# Altium PCB RFFE-Ver1A.PcbDoc (part 7 of 7)
Units mm, origin at the board's own origin, x right, y up, seen from the top; angles counter-clockwise.
Board outline 301.4 x 196.6 mm, 10 copper layers (RFsignal Top, Ground RF signal, Supply, SupplyGND, Digital signal, DigitalGND, CallTone RF, Ground Calltone, Ground RF signal (Plane6), RFsignal Bottom), stack 1.907 mm thick; 558 components, 369 nets, 2153 pads, 4580 vias.
Unrouted connection lines stored in the file: 1.
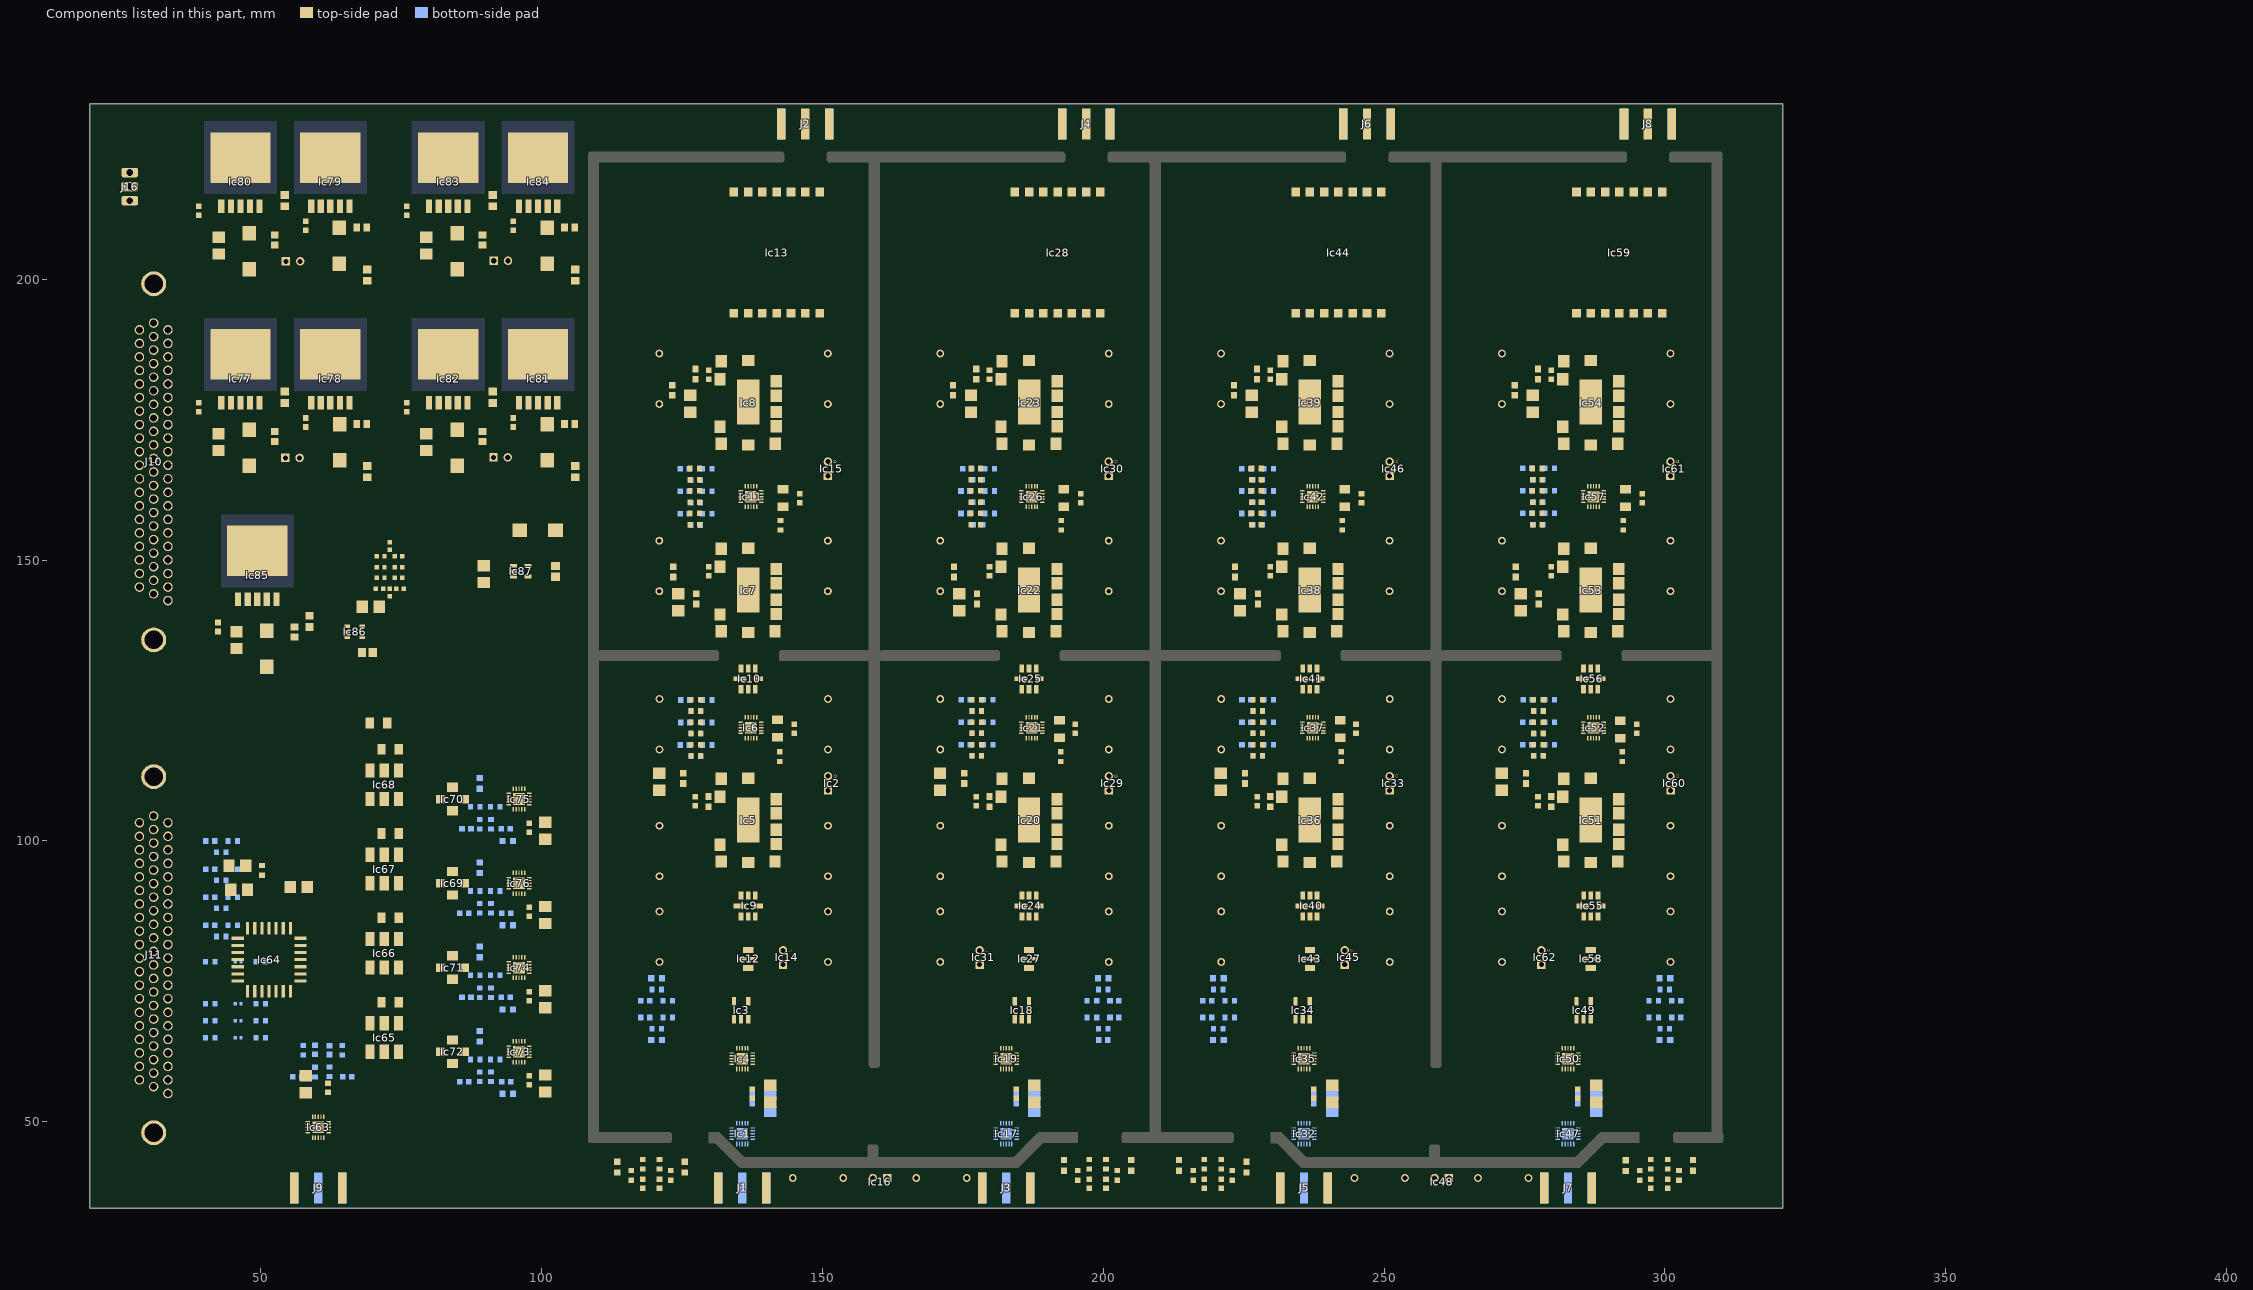
[diagram p15: the components of this part, seen from the top]

## Polygon pours and split planes (outlines as drawn) (continued)
RFGND on RFsignal Top "Top Layer-No Net" (solid, remove dead copper, pour order 106): 176.75,113.75 176.75,93.75 195,93.75 195,113.75 176.75,113.75
RFGND on RFsignal Top "Top Layer-No Net" (solid, remove dead copper, pour order 104): 126.75,113.75 145,113.75 145,93.38 126.75,93.38 126.75,113.75
RFGND on RFsignal Top "Top Layer-No Net" (solid, pour order 100): 283.75,82.5 290,82.5 290,75 283.75,75 283.75,82.5
RFGND on RFsignal Top "Top Layer-No Net" (solid, pour order 97): 233.75,82.5 233.75,75 240,75 240,82.5 233.75,82.5
RFGND on RFsignal Top "Top Layer-No Net" (solid, remove dead copper, pour order 102): 133.75,82.5 140,82.5 140,75 133.75,75 133.75,82.5
RFGND on RFsignal Top "Top Layer-No Net" (solid, pour order 108): 183.75,82.5 183.75,75 190,75 190,82.5 183.75,82.5
RFGND on RFsignal Top "Top Layer-No Net" (solid, remove dead copper, pour order 148): 126.75,133.75 126.75,126.5 146.25,126.5 146.25,133.75 126.75,133.75
RFGND on RFsignal Top "Top Layer-No Net" (solid, remove dead copper, pour order 149): 176.75,133.75 176.75,126.5 196.25,126.5 196.25,133.75 176.75,133.75
RFGND on RFsignal Top "Top Layer-No Net" (solid, remove dead copper, pour order 150): 226.75,133.75 226.75,126.5 246.25,126.5 246.25,133.75 226.75,133.75
RFGND on RFsignal Top "Top Layer-No Net" (solid, remove dead copper, pour order 151): 276.75,133.75 276.75,126.5 296.25,126.5 296.25,133.75 276.75,133.75
RFGND on RFsignal Top "Top Layer-No Net" (solid, remove dead copper, pour order 152): 126.8,93.75 126.8,82.5 145,82.5 145,93.7 126.75,93.7
RFGND on RFsignal Top "Top Layer-No Net" (solid, remove dead copper, pour order 153): 176.75,93.75 176.75,82.5 195,82.5 195,93.75 176.75,93.75
RFGND on RFsignal Top "Top Layer-No Net" (solid, remove dead copper, pour order 154): 226.75,93.75 226.75,82.5 245,82.5 245,93.75 226.75,93.75
RFGND on RFsignal Top "Top Layer-No Net" (solid, remove dead copper, pour order 155): 276.75,93.75 276.75,82.5 295,82.5 295,93.75 276.75,93.75
RFGND on RFsignal Top "Top Layer-No Net" (solid, remove dead copper, pour order 159): 126.75,188.75 155,188.75 155,230.5 126.75,230.5 126.75,188.75
RFGND on RFsignal Top "Top Layer-No Net" (solid, remove dead copper, pour order 158): 176.75,188.75 205,188.75 205,230.5 176.75,230.5 176.75,188.75
RFGND on RFsignal Top "Top Layer-No Net" (solid, remove dead copper, pour order 157): 226.75,188.75 255,188.75 255,230.5 226.75,230.5 226.75,188.75
RFGND on RFsignal Top "Top Layer-No Net" (solid, remove dead copper, pour order 156): 276.75,188.75 305,188.75 305,230.5 276.75,230.5 276.75,188.75
RFGND on RFsignal Top "Top Layer-No Net" (solid, pour order 160): 110.016,35.503 110.016,66.753 207.979,66.753 207.979,35.503 110.016,35.503
RFGND on RFsignal Top "Top Layer-No Net" (solid, pour order 161): 210.88,35.501 210.88,66.751 307.38,66.751 307.38,35.501 210.88,35.501
PGND on RFsignal Top "Top Layer-No Net" (solid, pour order 162): 65,125 87.25,125 87.25,57.75 65,57.75 65,125
RFGND on RFsignal Top "Top Layer-No Net" (solid, pour order 103): 305,230.5 305,188.754 295,188.754 295,188.75 295,157.67 296.25,157.67 296.25,124 296.25,116.5 295,116.5 295,82.5 290,82.5 290,75 287.61,75 287.19,75 287.19,70.15 287.19,66.751 307.38,66.751 307.38,35.501 307.38,35.5 320.5,35.5 320.49,35.5 320.49,230.489 320.49,230.5 305,230.5
RFGND on RFsignal Top "Top Layer-No Net" (solid, pour order 113): 276.75,230.5 276.75,168.51 272.23,168.51 272.23,155 276.75,155 276.75,126.5 275,126.5 275,113.75 276.75,113.75 276.75,82.5 283.75,82.5 283.75,75 285.97,75 286.05,75 286.05,72.15 286.05,71.8 283.55,71.8 283.471,71.8 283.471,66.751 283.471,66.75 237.15,66.75 237.15,75.05 237.15,75 240,75 240,82.5 245,82.5 245,116.5 245,124 246.25,124 246.25,157.67 246.25,165.35 245,165.35 245,188.75 245,188.754 255,188.754 255,230.5 276.75,230.5
RFGND on RFsignal Top "Top Layer-No Net" (solid, remove dead copper, pour order 112): 226.75,230.5 226.75,168.51 222.23,168.51 222.23,155 226.75,155 226.75,126.5 225,126.5 225,113.75 226.75,113.75 226.75,82.5 233.75,82.5 233.75,75 235.97,75 236.05,75 236.05,72.15 236.05,71.8 233.55,71.8 233.471,71.8 233.471,66.751 233.471,66.75 187.15,66.75 187.15,75.05 187.15,75 190,75 190,82.5 195,82.5 195,116.5 195,124 196.25,124 196.25,157.67 196.25,165.35 195,165.35 195,188.75 195,188.754 205,188.754 205,230.5 226.75,230.5
RFGND on RFsignal Top "Top Layer-No Net" (solid, pour order 111): 176.75,230.5 176.75,168.51 172.23,168.51 172.23,155 176.75,155 176.75,126.5 175,126.5 175,113.75 176.75,113.75 176.75,82.5 183.75,82.5 183.75,75 185.97,75 186.05,75 186.05,72.15 186.05,71.8 183.55,71.8 183.471,71.8 183.471,66.751 183.471,66.75 137.15,66.75 137.15,75.05 137.15,75 140,75 140,82.5 145,82.5 145,116.5 145,124 146.25,124 146.25,157.67 146.25,165.35 145,165.35 145,188.75 145,188.754 155,188.754 155,230.5 176.75,230.5
RFGND on RFsignal Top "Top Layer-No Net" (solid, remove dead copper, pour order 124): 126.75,230.5 126.75,168.51 122.23,168.51 122.23,155 126.75,155 126.75,126.5 125,126.5 125,113.75 126.75,113.75 126.8,113.75 126.8,82.5 133.75,82.5 133.75,75 135.97,75 136.05,75 136.05,72 136.05,71.85 133.6,71.85 133.431,71.85 133.431,66.753 110.016,66.753 110,66.753 110,69 110,113.9 110,209.3 110,230.5 110.05,230.5 126.75,230.5
PGND on RFsignal Top "Top Layer-No Net" (solid, pour order 169): 56.454,51.711 56.454,46.151 63.952,46.151 64.057,46.151 64.057,51.711 64.057,51.696 56.454,51.696
PGND on RFsignal Top "Top Layer-No Net" (solid, pour order 170): 39.5,82.897 39.5,125 65.99,125 65.99,82.897 39.5,82.897
RFGND on RFsignal Bottom "Top Layer-No Net" (solid, pour order 107): 19.75,230.793 19.75,35 320.75,35 320.75,230.793 19.75,230.793
no net on Top Solder "Top Layer-No Net" (solid): 109.25,76.25 109.25,73.53 109.51,73.53 ccw(c109.51,76.07) 112.05,76.07 112.05,76.25 112.05,76.46 ccw(c109.51,76.46) 109.51,79 109.24,79 109.08,79 ccw(c109.08,76.46) 106.54,76.46 106.54,76.25 106.54,76.03 ccw(c109.08,76.03) 109.08,73.49 109.26,73.49
no net on Top Solder "Top Layer-No Net" (solid): 209.25,76.25 209.25,73.53 209.51,73.53 ccw(c209.51,76.07) 212.05,76.07 212.05,76.25 212.05,76.46 ccw(c209.51,76.46) 209.51,79 209.24,79 209.08,79 ccw(c209.08,76.46) 206.54,76.46 206.54,76.25 206.54,76.03 ccw(c209.08,76.03) 209.08,73.49 209.26,73.49
no net on Top Solder "Top Layer-No Net" (solid): 309.25,76.25 309.25,73.53 309.51,73.53 ccw(c309.51,76.07) 312.05,76.07 312.05,76.25 312.05,76.46 ccw(c309.51,76.46) 309.51,79 309.24,79 309.08,79 ccw(c309.08,76.46) 306.54,76.46 306.54,76.25 306.54,76.03 ccw(c309.08,76.03) 309.08,73.49 309.26,73.49
no net on Top Solder "Top Layer-No Net" (solid): 308.2,133 308.2,130.28 308.46,130.28 ccw(c308.46,132.82) 311,132.82 311,133 311,133.21 ccw(c308.46,133.21) 308.46,135.75 308.19,135.75 308.03,135.75 ccw(c308.03,133.21) 305.49,133.21 305.49,133 305.49,132.78 ccw(c308.03,132.78) 308.03,130.24 308.21,130.24
no net on Top Solder "Top Layer-No Net" (solid): 110.25,133 110.25,130.28 110.51,130.28 ccw(c110.51,132.82) 113.05,132.82 113.05,133 113.05,133.21 ccw(c110.51,133.21) 110.51,135.75 110.24,135.75 110.08,135.75 ccw(c110.08,133.21) 107.54,133.21 107.54,133 107.54,132.78 ccw(c110.08,132.78) 110.08,130.24 110.26,130.24
no net on Top Solder "Top Layer-No Net" (solid): 110.25,48.25 110.25,45.53 110.51,45.53 ccw(c110.51,48.07) 113.05,48.07 113.05,48.25 113.05,48.46 ccw(c110.51,48.46) 110.51,51 110.24,51 110.08,51 ccw(c110.08,48.46) 107.54,48.46 107.54,48.25 107.54,48.03 ccw(c110.08,48.03) 110.08,45.49 110.26,45.49
no net on Top Solder "Top Layer-No Net" (solid): 159,44 159,41.28 159.26,41.28 ccw(c159.26,43.82) 161.8,43.82 161.8,44 161.8,44.21 ccw(c159.26,44.21) 159.26,46.75 158.99,46.75 158.83,46.75 ccw(c158.83,44.21) 156.29,44.21 156.29,44 156.29,43.78 ccw(c158.83,43.78) 158.83,41.24 159.01,41.24
no net on Top Solder "Top Layer-No Net" (solid): 209.25,48.5 209.25,45.78 209.51,45.78 ccw(c209.51,48.32) 212.05,48.32 212.05,48.5 212.05,48.71 ccw(c209.51,48.71) 209.51,51.25 209.24,51.25 209.08,51.25 ccw(c209.08,48.71) 206.54,48.71 206.54,48.5 206.54,48.28 ccw(c209.08,48.28) 209.08,45.74 209.26,45.74
no net on Top Solder "Top Layer-No Net" (solid): 259,44 259,41.28 259.26,41.28 ccw(c259.26,43.82) 261.8,43.82 261.8,44 261.8,44.21 ccw(c259.26,44.21) 259.26,46.75 258.99,46.75 258.83,46.75 ccw(c258.83,44.21) 256.29,44.21 256.29,44 256.29,43.78 ccw(c258.83,43.78) 258.83,41.24 259.01,41.24
no net on Top Solder "Top Layer-No Net" (solid): 308.25,48.25 308.25,45.53 308.51,45.53 ccw(c308.51,48.07) 311.05,48.07 311.05,48.25 311.05,48.46 ccw(c308.51,48.46) 308.51,51 308.24,51 308.08,51 ccw(c308.08,48.46) 305.54,48.46 305.54,48.25 305.54,48.03 ccw(c308.08,48.03) 308.08,45.49 308.26,45.49
no net on Top Solder "Top Layer-No Net" (solid): 313.75,38.75 313.75,36.03 314.01,36.03 ccw(c314.01,38.57) 316.55,38.57 316.55,38.75 316.55,38.96 ccw(c314.01,38.96) 314.01,41.5 313.74,41.5 313.58,41.5 ccw(c313.58,38.96) 311.04,38.96 311.04,38.75 311.04,38.53 ccw(c313.58,38.53) 313.58,35.99 313.76,35.99
no net on Top Solder "Top Layer-No Net" (solid): 313.75,225 313.75,222.28 314.01,222.28 ccw(c314.01,224.82) 316.55,224.82 316.55,225 316.55,225.21 ccw(c314.01,225.21) 314.01,227.75 313.74,227.75 313.58,227.75 ccw(c313.58,225.21) 311.04,225.21 311.04,225 311.04,224.78 ccw(c313.58,224.78) 313.58,222.24 313.76,222.24
no net on Top Solder "Top Layer-No Net" (solid): 308.5,221 308.5,218.28 308.76,218.28 ccw(c308.76,220.82) 311.3,220.82 311.3,221 311.3,221.21 ccw(c308.76,221.21) 308.76,223.75 308.49,223.75 308.33,223.75 ccw(c308.33,221.21) 305.79,221.21 305.79,221 305.79,220.78 ccw(c308.33,220.78) 308.33,218.24 308.51,218.24
no net on Top Solder "Top Layer-No Net" (solid): 259.25,220.75 259.25,218.03 259.51,218.03 ccw(c259.51,220.57) 262.05,220.57 262.05,220.75 262.05,220.96 ccw(c259.51,220.96) 259.51,223.5 259.24,223.5 259.08,223.5 ccw(c259.08,220.96) 256.54,220.96 256.54,220.75 256.54,220.53 ccw(c259.08,220.53) 259.08,217.99 259.26,217.99
no net on Top Solder "Top Layer-No Net" (solid): 209.25,220.75 209.25,218.03 209.51,218.03 ccw(c209.51,220.57) 212.05,220.57 212.05,220.75 212.05,220.96 ccw(c209.51,220.96) 209.51,223.5 209.24,223.5 209.08,223.5 ccw(c209.08,220.96) 206.54,220.96 206.54,220.75 206.54,220.53 ccw(c209.08,220.53) 209.08,217.99 209.26,217.99
no net on Top Solder "Top Layer-No Net" (solid): 159.25,220.75 159.25,218.03 159.51,218.03 ccw(c159.51,220.57) 162.05,220.57 162.05,220.75 162.05,220.96 ccw(c159.51,220.96) 159.51,223.5 159.24,223.5 159.08,223.5 ccw(c159.08,220.96) 156.54,220.96 156.54,220.75 156.54,220.53 ccw(c159.08,220.53) 159.08,217.99 159.26,217.99
no net on Top Solder "Top Layer-No Net" (solid): 110,221 110,218.28 110.26,218.28 ccw(c110.26,220.82) 112.8,220.82 112.8,221 112.8,221.21 ccw(c110.26,221.21) 110.26,223.75 109.99,223.75 109.83,223.75 ccw(c109.83,221.21) 107.29,221.21 107.29,221 107.29,220.78 ccw(c109.83,220.78) 109.83,218.24 110.01,218.24
no net on Top Solder "Top Layer-No Net" (solid): 25.254,38.75 25.254,36.03 25.514,36.03 ccw(c25.514,38.57) 28.054,38.57 28.054,38.75 28.054,38.96 ccw(c25.514,38.96) 25.514,41.5 25.244,41.5 25.084,41.5 ccw(c25.084,38.96) 22.544,38.96 22.544,38.75 22.544,38.53 ccw(c25.084,38.53) 25.084,35.99 25.264,35.99
no net on Top Solder "Top Layer-No Net" (solid): 24.25,225.5 24.25,222.78 24.51,222.78 ccw(c24.51,225.32) 27.05,225.32 27.05,225.5 27.05,225.71 ccw(c24.51,225.71) 24.51,228.25 24.24,228.25 24.08,228.25 ccw(c24.08,225.71) 21.54,225.71 21.54,225.5 21.54,225.28 ccw(c24.08,225.28) 24.08,222.74 24.26,222.74
no net on Top Solder "Top Layer-No Net" (solid): 259.25,64.9 259.25,62.18 259.51,62.18 ccw(c259.51,64.72) 262.05,64.72 262.05,64.9 262.05,65.11 ccw(c259.51,65.11) 259.51,67.65 259.24,67.65 259.08,67.65 ccw(c259.08,65.11) 256.54,65.11 256.54,64.9 256.54,64.68 ccw(c259.08,64.68) 259.08,62.14 259.26,62.14
no net on Top Solder "Top Layer-No Net" (solid): 159.25,64.9 159.25,62.18 159.51,62.18 ccw(c159.51,64.72) 162.05,64.72 162.05,64.9 162.05,65.11 ccw(c159.51,65.11) 159.51,67.65 159.24,67.65 159.08,67.65 ccw(c159.08,65.11) 156.54,65.11 156.54,64.9 156.54,64.68 ccw(c159.08,64.68) 159.08,62.14 159.26,62.14
DGND on Digital signal "Top Layer-No Net" (solid, pour order 98): 19.75,230.74 19.75,35 320.75,35 320.64,35 320.64,230.793 320.64,230.74 19.75,230.74
PGND on CallTone RF "Top Layer-No Net" (solid, pour order 101): 19.75,230.74 320.75,230.74 320.75,35 19.75,35 19.75,230.74
RFGND on Ground RF signal (split plane): 320.49,35.16 20.11,35.16 20.11,230.74 320.49,230.74
3VGND on SupplyGND (split plane): 320.49,35.16 20.11,35.16 20.11,230.74 320.49,230.74
DGND on DigitalGND (split plane): 320.49,35.16 20.11,35.16 20.11,230.74 320.49,230.74
PGND on Ground Calltone (split plane): 320.49,35.16 20.11,35.16 20.11,230.74 320.49,230.74
RFGND on Ground RF signal (Plane6) (split plane): 320.49,35.16 20.11,35.16 20.11,230.74 320.49,230.74

## Keep-outs
Keep-Out Layer:
  lines w0.127: 19.75,230.74 19.75,230.793 ; 19.75,230.793 19.75,35 320.75,35 320.75,230.793 19.75,230.793

## Other copper
RFsignal Top:
  rectangle net +3V: 141.657,55.64 142.055,55.943
  rectangle net +3V: 188.675,55.644 189.109,55.957
  rectangle net +3V: 241.735,55.646 242.063,55.869
  rectangle net +3V: 288.65,55.64 289.078,55.946
  rectangle net RFGND: 107.406,136.56 108.854,137.465
  rectangle net NetIc11_1: 128.468,156.66 128.723,156.82
  rectangle net NetIc11_15: 128.455,165.82 128.759,165.929
  rectangle net NetIc26_1: 178.487,156.706 178.684,156.82
  rectangle net NetIc26_15: 178.469,165.82 178.733,165.964
  rectangle net NetIc42_1: 228.478,156.695 228.693,156.82
  rectangle net NetIc42_15: 228.547,165.82 228.776,165.904
  rectangle net NetIc42_16: 228.548,163.819 228.755,163.903
  rectangle net NetIc57_1: 278.528,156.723 278.724,156.82
  rectangle net NetIc57_15: 278.507,165.82 278.787,165.91
  rectangle net NetIc85_5: 55.3,138.529 55.382,138.775
  rectangle net 3VGND: 71.898,141.917 72.348,142.216
  rectangle net +3V: 122.6,38.9 122.85,39.2
  rectangle net GNDCHA: 48.3,165.2 48.6,165.65
  rectangle net GNDCHB: 85.35,165.1 85.6,165.7
  rectangle net GNDCHC: 48.35,200.2 48.7,200.65
  rectangle net GNDCHD: 85.4,200.3 85.65,200.6
  rectangle net RFGND: 281.636,115.75 285.971,116.534
  rectangle net RFGND: 284.5,78.25 289,78.75
  rectangle net RFGND: 284.5,79.25 289.25,79.75
  rectangle net RFGND: 286.4,78.5 287.2,79.4
  rectangle net RFGND: 288.3,78.5 289.1,79.4
  rectangle net RFGND: 284.6,78.6 285.3,79.4
  rectangle net RFGND: 285.07,66.5 287.19,70.15
  rectangle net RFGND: 234.25,79.25 239.25,79.75
  rectangle net RFGND: 236.5,78.7 237.2,79.4
  rectangle net RFGND: 234.75,78.25 239.25,78.75
  rectangle net RFGND: 238.3,78.75 239.25,79.4
  rectangle net RFGND: 234.6,78.6 235.3,79.4
  rectangle net RFGND: 235.07,66.5 237.19,70.15
  rectangle net RFGND: 184.25,79.25 189.5,79.75
  rectangle net RFGND: 186.4,78.6 187.3,79.4
  rectangle net RFGND: 184.75,78.25 189,78.75
  rectangle net RFGND: 188.3,78.6 189.2,79.4
  rectangle net RFGND: 184.5,78.7 185.3,79.5
  rectangle net RFGND: 185.07,66.5 187.19,70.15
  rectangle net RFGND: 134.5,78.25 139.25,78.75
  rectangle net RFGND: 134.25,79.25 139.5,79.75
  rectangle net RFGND: 136.5,78.7 137.1,79.4
  rectangle net RFGND: 138.3,78.6 139.1,79.4
  rectangle net RFGND: 134.5,78.5 135.3,79.5
  rectangle net RFGND: 135.07,66.5 137.19,70.15
  rectangle net RFGND: 231.592,115.76 235.971,116.534
  rectangle net RFGND: 181.563,115.75 185.971,116.534
  rectangle net RFGND: 131.75,116.25 135.971,116.534
  rectangle net RFGND: 108.25,222.19 110,230.392
  rectangle net RFGND: 108.25,35.503 110.016,47.042
  rectangle net GND: 67.84,143.17 75.94,153.65
  rectangle net GND: 72.01,140.66 74.51,144.95
  rectangle net NetIc1_17: 117.354,42.85 117.681,43.031
  rectangle net NetIc1_17: 116.134,41.573 116.5,42.012
  rectangle net 3VGND: 69.2,131.92 72.54,134.39
  rectangle net 3VGND: 71.1,134.27 72.52,134.75
Supply:
  rectangle net +3V: 174.135,134.565 174.285,134.922
RFsignal Bottom:
  rectangle net NetIc31_1: 177.026,78.16 177.394,78.374
  rectangle net NetIc62_1: 277.055,78.168 277.387,78.313
  rectangle net NetD3_1: 48.701,64.354 48.88,64.745
  rectangle net +3V: 209.3,69.25 209.7,69.45
  rectangle net +3V: 183.85,50 183.95,50.1
  rectangle net +3V: 283.85,50 283.95,50.1
  rectangle net +3V: 239.32,51.97 239.67,52.17
  rectangle net +3V: 139.5,52 139.85,52.2
  rectangle net +3V: 209.26,68.79 210.22,69.29

## Silkscreen, mask and mechanical layers (free items; w line width, h text height)
Top Overlay:
  drawing of 5 lines, arcs and shapes, not listed
  text "StarGND" at 80.513,145.149 h0.8 r90
  text "Beam Position Monitor - RF Front-End" at 78.39,117.47 h1.52
  text "RFFE-Ver1A  09/2012" at 78.26,115.16 h1.52
  text "Licensed under CERN OHL v.1.1" at 78.17,113.38 h2
  text "Sirius" at 61.61,101.1 h2
  text "Beam Diagnostics Group" at 46.84,99.54 h2
Top Solder:
  rectangle: 257.982,47.56 259.982,48.46
  rectangle: 158.03,47.51 160.03,48.41
  lines w1: 133.604,45.708 ccw(c138.99,50.178) 139.195,43.181 ; 181.964,43.336 ccw(c182.5,47.3) 185.796,45.034 ; 233.604,45.708 ccw(c238.99,50.178) 239.195,43.181 ; 282.064,43.336 ccw(c282.6,47.3) 285.896,45.034
  lines w1.4: 107.523,75.051 cw(c102.858,71.278) 108.852,71.552 ; 107.536,77.471 ccw(c102.85,81.219) 108.85,81.2 ; 109.649,71.567 cw(c115.634,71.138) 110.92,74.85 ; 109.661,81.252 ccw(c115.661,81.312) 111.12,77.39 ; 157.523,63.721 cw(c152.858,59.948) 158.852,60.222 ; 157.536,66.101 ccw(c152.85,69.849) 158.85,69.83 ; 159.649,60.267 cw(c165.634,59.838) 160.92,63.55 ; 159.651,69.902 ccw(c165.651,69.962) 161.11,66.04 ; 207.526,77.481 ccw(c202.84,81.229) 208.84,81.21 ; 207.553,74.961 cw(c202.888,71.188) 208.882,71.462 ; 209.669,71.617 cw(c215.654,71.188) 210.94,74.9 ; 209.671,81.202 ccw(c215.671,81.262) 210.845,77.696 ; 257.473,63.761 cw(c252.808,59.988) 258.802,60.262 ; 257.536,66.081 ccw(c252.85,69.829) 258.85,69.81 ; 259.651,69.942 ccw(c265.651,70.002) 260.825,66.436 ; 259.659,60.277 cw(c265.644,59.848) 260.93,63.56 ; 307.523,75.061 cw(c302.858,71.288) 308.852,71.562 ; 307.526,77.491 ccw(c302.84,81.239) 308.84,81.22 ; 309.656,81.255 ccw(c315.655,81.316) 310.83,77.75 ; 309.669,71.637 cw(c315.654,71.208) 310.94,74.92
  lines w2: 109.2,214.7 cw(c116.687,214.264) 117.123,221.752 ; 109.258,54.689 ccw(c118.95,57.15) 120.52,47.274 ; 109.305,126.704 cw(c115.3,126.945) 115.597,132.938 ; 109.31,138.201 ccw(c115.25,139.05) 116.099,133.11 ; 151.099,42.836 ccw(c152.37,48.7) 158.234,47.429 ; 153.196,133.05 cw(c153.25,127.05) 159.248,126.894 ; 153.399,132.926 ccw(c153.249,138.924) 159.249,139.002 ; 159.15,139 ccw(c165.15,139.05) 165.199,133.05 ; 159.171,127.101 cw(c165.17,126.989) 165.2,132.989 ; 159.806,47.429 ccw(c165.67,48.7) 166.358,42.74 ; 203.226,133.049 cw(c203.279,127.049) 209.277,126.893 ; 203.429,132.926 ccw(c203.278,138.924) 209.278,139.001 ; 204.1,47.3 ccw(c202.75,53.75) 209.2,55.1 ; 209.18,139 ccw(c215.179,139.049) 215.229,133.05 ; 209.2,127.1 cw(c215.199,126.989) 215.229,132.989 ; 209.222,54.205 ccw(c215.8,53.8) 215.395,47.222 ; 251.052,42.887 ccw(c252.322,48.75) 258.186,47.48 ; 253.226,133.049 cw(c253.279,127.049) 259.277,126.893 ; 253.429,132.926 ccw(c253.278,138.924) 259.278,139.001 ; 259.18,139 ccw(c265.179,139.049) 265.229,133.05 ; 259.2,127.1 cw(c265.199,126.989) 265.229,132.989 ; 259.758,47.48 ccw(c265.622,48.75) 266.31,42.79 ; 301.8,221.699 cw(c301.7,214.2) 309.199,214.1 ; 302.548,47.191 ccw(c301.28,55.09) 309.179,56.358 ; 303.126,132.949 cw(c303.179,126.949) 309.177,126.793 ; 304.2,133.1 ccw(c303.249,139.024) 309.173,139.975
  lines w2.1: 153.196,221.75 cw(c153.25,215.75) 159.248,215.594 ; 159.274,216.805 cw(c165.17,215.689) 165.2,221.689 ; 203.196,221.75 cw(c203.25,215.75) 209.248,215.594 ; 209.271,215.809 cw(c215.27,215.689) 215.3,221.689 ; 253.196,221.75 cw(c253.25,215.75) 259.248,215.594 ; 259.271,215.801 cw(c265.27,215.689) 265.3,221.689

## Text inside footprints (layer, text, board x,y; h text height)
J10: Top Overlay "1" at 34.05,193.46 h0.8 r90; Top Overlay "21" at 34.1,139.46 h0.8 r90; Top Overlay "43" at 28.9,192.46 h0.8 r90; Top Overlay "62" at 28.9,141.06 h0.8 r90
J11: Top Overlay "62" at 28.9,53.31 h0.8 r90; Top Overlay "43" at 28.9,104.71 h0.8 r90; Top Overlay "21" at 34.1,51.71 h0.8 r90; Top Overlay "1" at 34.05,105.71 h0.8 r90